# KiCad board vcu.kicad_pcb
title: VCU; date: 2023-12-08; rev: 1.5.0; company: SUFST; note: STAG X & STAG 11; note: Richard Karlson and Boris Van Griensven (bodge fixed by Adam Eastman); note: v1.5.0 Fixed CAN-S Bodge
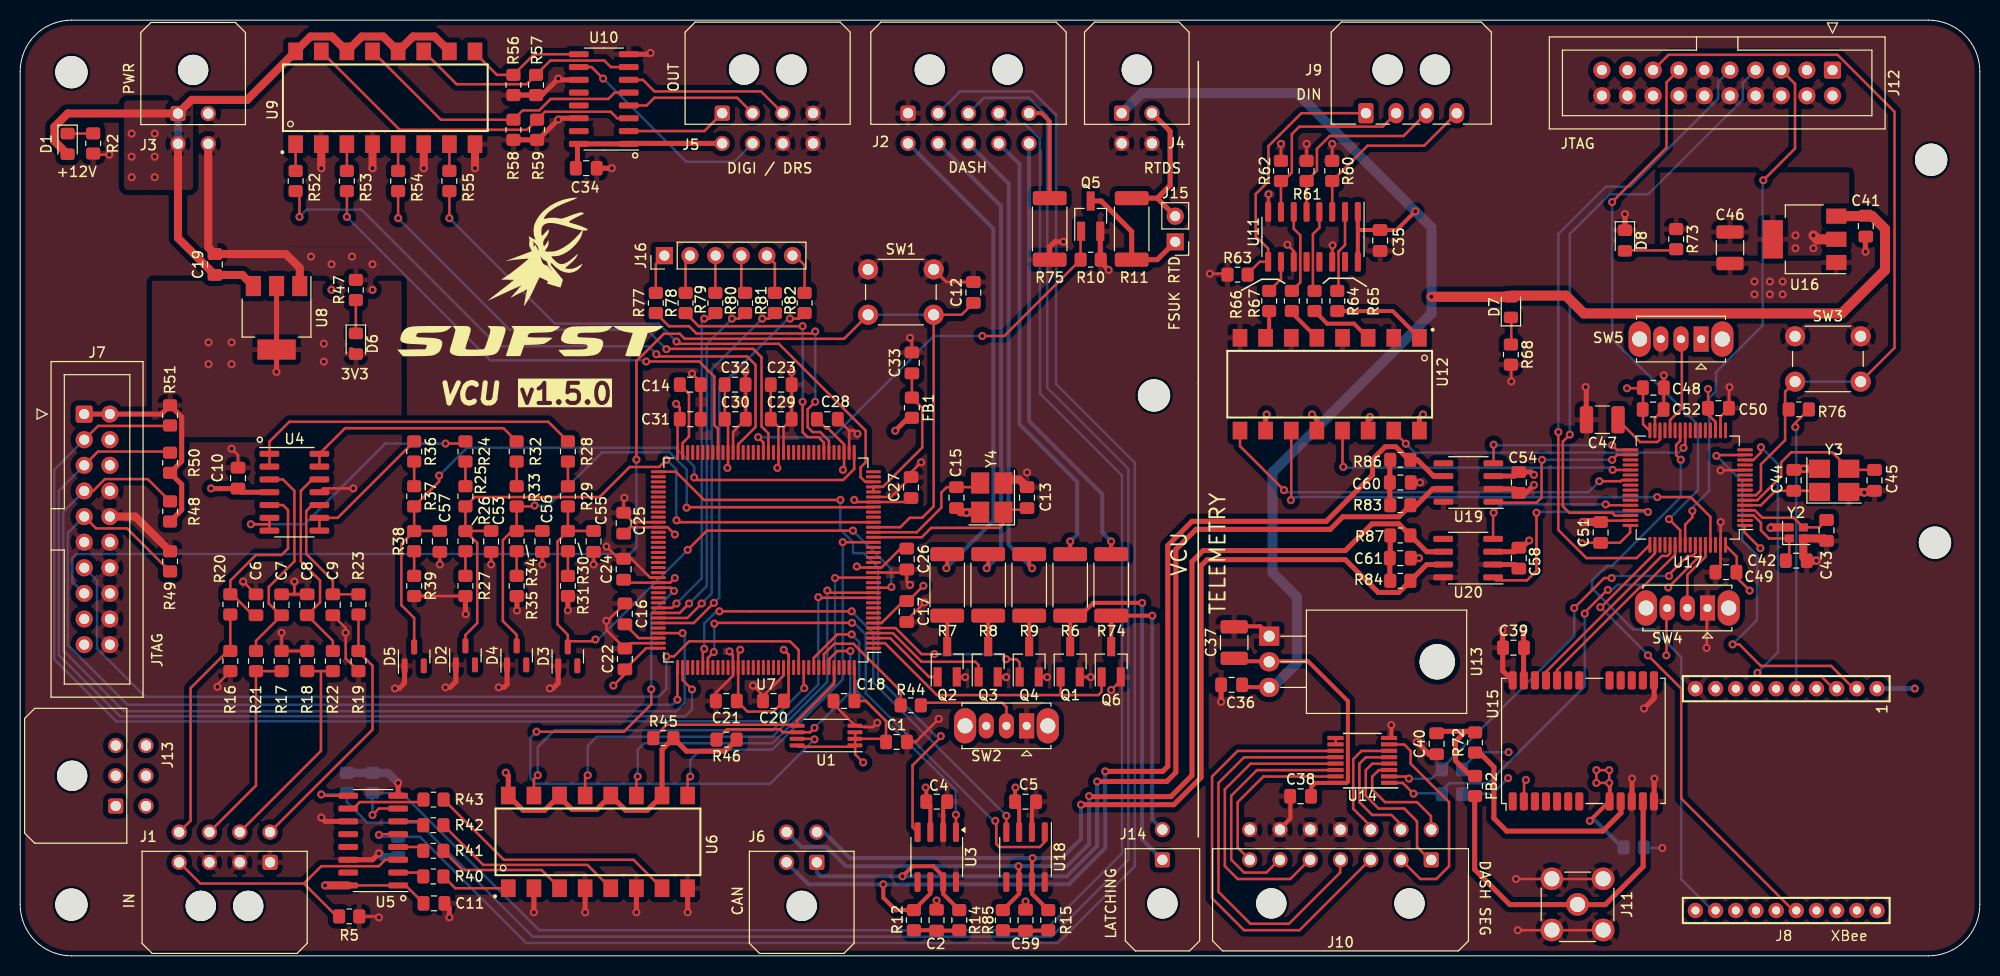
[diagram p0: board, top side]
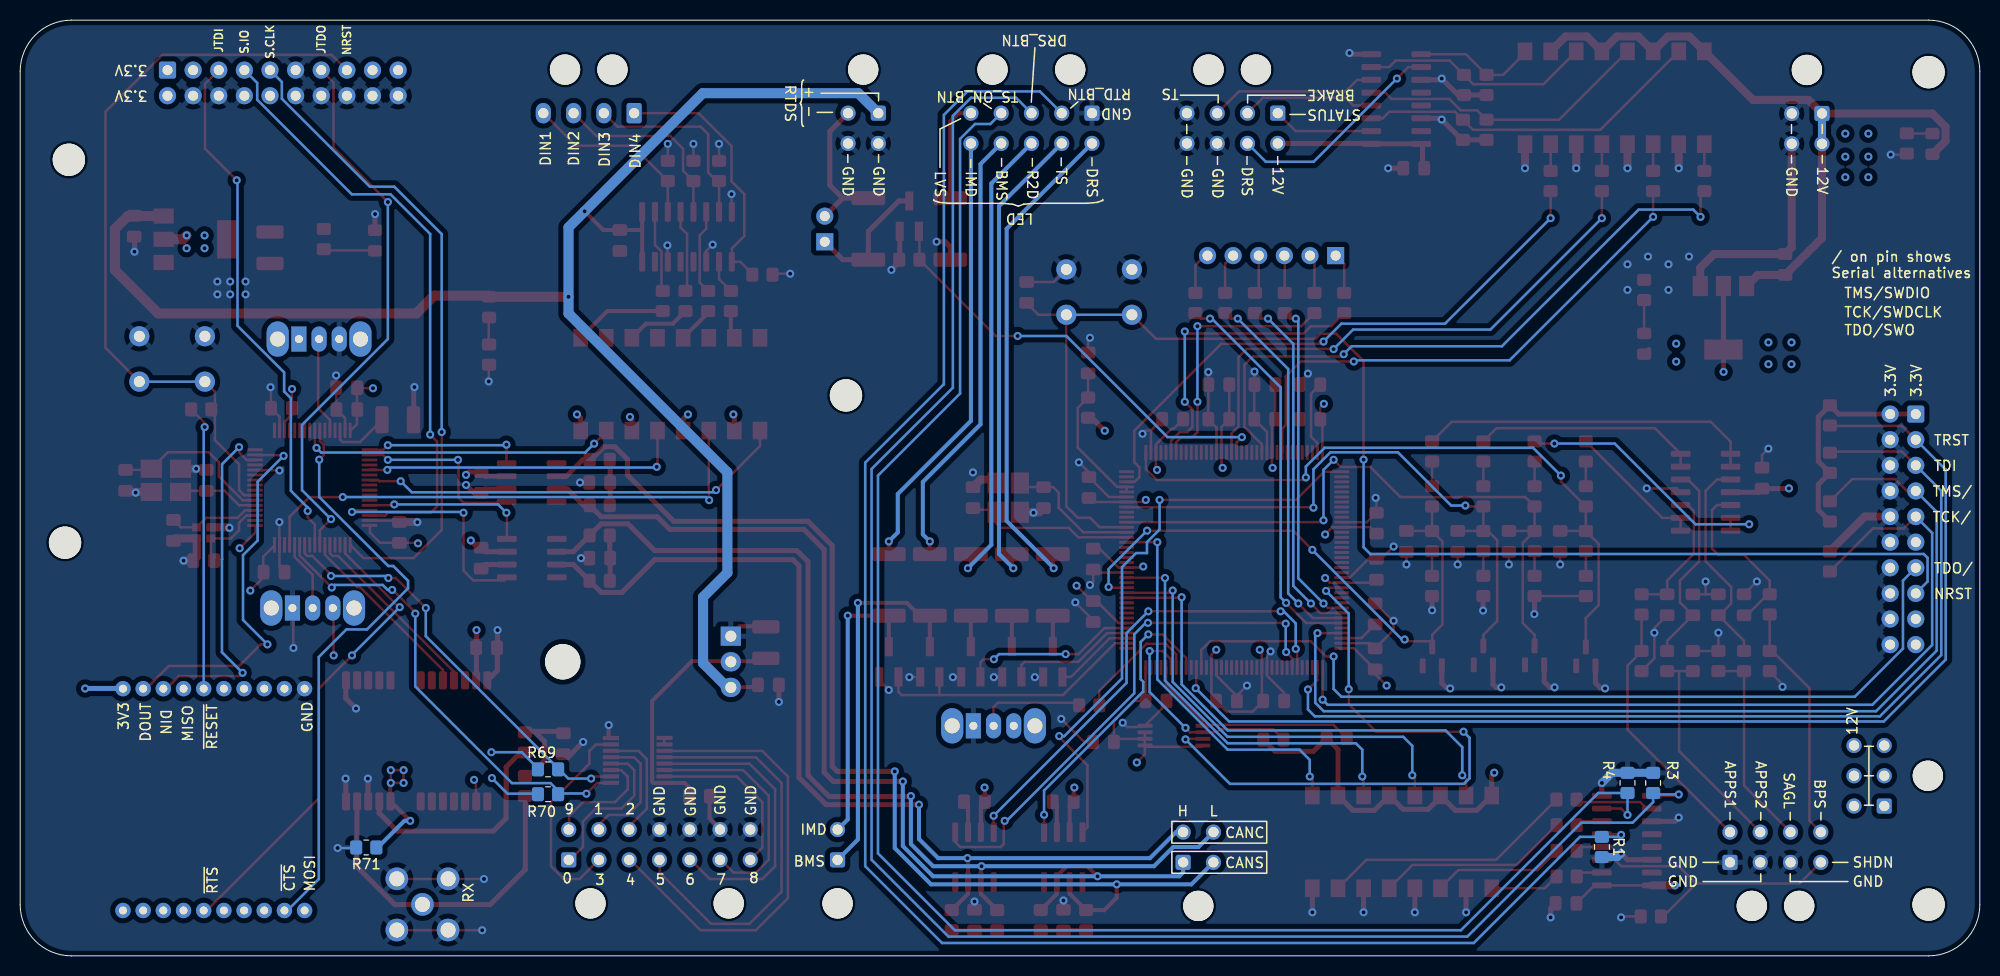
[diagram p1: board, bottom side, seen from below]

Outline 194.25 x 92.79 mm; copper layers: Top, In1.Cu (plane), In2.Cu (plane), Bottom. Coordinates in mm from the lower left corner of the outline.
Outline path: 0,87.71 0,5.08 arc(1.49,1.49) 5.08,0 189.17,0 arc(192.77,1.49) 194.25,5.08 194.25,87.71 arc(192.77,91.3) 189.17,92.79 5.08,92.79 arc(1.49,91.3) 0,87.71
Stack: Top 0.035mm / dielectric 0.1mm FR4 er 4.5 / In1.Cu 0.035mm / dielectric 1.24mm FR4 er 4.5 / In2.Cu 0.035mm / dielectric 0.1mm FR4 er 4.5 / Bottom 0.035mm

## Placement (name value [footprint] x y rotation side)
C1  100n  [C_0805_2012Metric_Pad1.18x1.45mm_HandSolder]  86.87 21.21 0 top
C2  4.7n  [C_0805_2012Metric_Pad1.18x1.45mm_HandSolder]  90.84 3.54 90 top
C4  100n  [C_0805_2012Metric_Pad1.18x1.45mm_HandSolder]  90.86 15.29 180 top
C5  100n  [C_0805_2012Metric_Pad1.18x1.45mm_HandSolder]  99.66 15.29 180 top
C6  100n  [C_0805_2012Metric_Pad1.18x1.45mm_HandSolder]  23.37 34.81 270 top
C7  100n  [C_0805_2012Metric_Pad1.18x1.45mm_HandSolder]  25.91 34.81 270 top
C8  100n  [C_0805_2012Metric_Pad1.18x1.45mm_HandSolder]  28.45 34.81 270 top
C9  100n  [C_0805_2012Metric_Pad1.18x1.45mm_HandSolder]  30.99 34.81 90 top
C10  100n  [C_0805_2012Metric_Pad1.18x1.45mm_HandSolder]  21.6 47.37 270 top
C11  100n  [C_0805_2012Metric_Pad1.18x1.45mm_HandSolder]  41.02 5.21 180 top
C12  100n  [C_0805_2012Metric_Pad1.18x1.45mm_HandSolder]  94.49 65.79 90 top
C13  4.3p  [C_0805_2012Metric_Pad1.18x1.45mm_HandSolder]  99.81 45.44 90 top
C14  2.2u  [C_0805_2012Metric_Pad1.18x1.45mm_HandSolder]  66.42 56.64 180 top
C15  4.3p  [C_0805_2012Metric_Pad1.18x1.45mm_HandSolder]  92.81 45.44 270 top
C16  2.2u  [C_0805_2012Metric_Pad1.18x1.45mm_HandSolder]  59.94 33.91 270 top
C17  100n  [C_0805_2012Metric_Pad1.18x1.45mm_HandSolder]  87.88 34.14 270 top
C18  100n  [C_0805_2012Metric_Pad1.18x1.45mm_HandSolder]  81.66 25.27 180 top
C19  100n  [C_0805_2012Metric_Pad1.18x1.45mm_HandSolder]  19.3 68.56 90 top
C20  100n  [C_0805_2012Metric_Pad1.18x1.45mm_HandSolder]  74.68 25.27 180 top
C21  100n  [C_0805_2012Metric_Pad1.18x1.45mm_HandSolder]  70 25.27 180 top
C22  100n  [C_0805_2012Metric_Pad1.18x1.45mm_HandSolder]  59.94 29.44 90 top
C23  10u  [C_0805_2012Metric_Pad1.18x1.45mm_HandSolder]  75.44 56.64 0 top
C24  100n  [C_0805_2012Metric_Pad1.18x1.45mm_HandSolder]  59.82 38.33 90 top
C25  100n  [C_0805_2012Metric_Pad1.18x1.45mm_HandSolder]  59.82 42.9 90 top
C26  100n  [C_0805_2012Metric_Pad1.18x1.45mm_HandSolder]  87.88 39.35 270 top
C27  100n  [C_0805_2012Metric_Pad1.18x1.45mm_HandSolder]  88.31 46.44 90 top
C28  100n  [C_0805_2012Metric_Pad1.18x1.45mm_HandSolder]  80.01 53.21 0 top
C29  100n  [C_0805_2012Metric_Pad1.18x1.45mm_HandSolder]  75.44 53.21 0 top
C30  100n  [C_0805_2012Metric_Pad1.18x1.45mm_HandSolder]  70.89 53.21 0 top
C31  4.7u  [C_0805_2012Metric_Pad1.18x1.45mm_HandSolder]  66.42 53.21 0 top
C32  1u  [C_0805_2012Metric_Pad1.18x1.45mm_HandSolder]  70.87 56.64 0 top
C33  100n  [C_0805_2012Metric_Pad1.18x1.45mm_HandSolder]  88.39 58.8 90 top
C34  100n  [C_0805_2012Metric_Pad1.18x1.45mm_HandSolder]  56.11 78.11 180 top
C35  100n  [C_0805_2012Metric_Pad1.18x1.45mm_HandSolder]  134.81 70.94 90 top
C36  100n  [C_0805_2012Metric_Pad1.18x1.45mm_HandSolder]  120.09 26.87 0 top
C37  10u  [C_1210_3225Metric_Pad1.33x2.70mm_HandSolder]  120.34 31.06 90 top
C38  100n  [C_0805_2012Metric_Pad1.18x1.45mm_HandSolder]  126.92 15.82 0 top
C39  100nF  [C_0805_2012Metric_Pad1.18x1.45mm_HandSolder]  148.03 30.56 0 top
C40  47pF  [C_0805_2012Metric_Pad1.18x1.45mm_HandSolder]  140.41 21.03 90 top
C41  100nF  [C_0805_2012Metric_Pad1.18x1.45mm_HandSolder]  182.95 72.36 90 top
C42  4p3  [C_0805_2012Metric_Pad1.18x1.45mm_HandSolder]  176.06 39.19 180 top
C43  4p3  [C_0805_2012Metric_Pad1.18x1.45mm_HandSolder]  179.06 42.19 90 top
C44  20pF  [C_0805_2012Metric_Pad1.18x1.45mm_HandSolder]  175.81 47.15 270 top
C45  20pF  [C_0805_2012Metric_Pad1.18x1.45mm_HandSolder]  183.81 47.15 90 top
C46  10uF  [C_1210_3225Metric_Pad1.33x2.70mm_HandSolder]  169.49 70.22 90 top
C47  4u7  [C_1210_3225Metric_Pad1.33x2.70mm_HandSolder]  156.83 53.16 180 top
C48  4.7uF  [C_0805_2012Metric_Pad1.18x1.45mm_HandSolder]  161.89 56.34 0 top
C49  100nF  [C_0805_2012Metric_Pad1.18x1.45mm_HandSolder]  169.09 38.05 180 top
C50  100nF  [C_0805_2012Metric_Pad1.18x1.45mm_HandSolder]  168.35 54.31 0 top
C51  100nF  [C_0805_2012Metric_Pad1.18x1.45mm_HandSolder]  156.66 41.99 90 top
C52  100nF  [C_0805_2012Metric_Pad1.18x1.45mm_HandSolder]  161.87 54.18 0 top
C53  1n  [C_0805_2012Metric_Pad1.18x1.45mm_HandSolder]  46.68 41.1 90 top
C54  100n  [C_0805_2012Metric_Pad1.18x1.45mm_HandSolder]  148.56 46.94 90 top
C55  1n  [C_0805_2012Metric_Pad1.18x1.45mm_HandSolder]  56.84 41.1 90 top
C56  1n  [C_0805_2012Metric_Pad1.18x1.45mm_HandSolder]  51.76 41.1 90 top
C57  1n  [C_0805_2012Metric_Pad1.18x1.45mm_HandSolder]  41.6 41.1 90 top
C58  100n  [C_0805_2012Metric_Pad1.18x1.45mm_HandSolder]  148.56 39.44 90 top
C59  4.7n  [C_0805_2012Metric_Pad1.18x1.45mm_HandSolder]  99.66 3.54 90 top
C60  4.7n  [C_0805_2012Metric_Pad1.18x1.45mm_HandSolder]  136.81 46.94 0 top
C61  4.7n  [C_0805_2012Metric_Pad1.18x1.45mm_HandSolder]  136.81 39.44 0 top
D1  LED  [LED_0805_2012Metric_Pad1.15x1.40mm_HandSolder]  4.7 80.52 270 top
D2  BZX84-C3V3  [SOT-23]  44.14 29.8 90 top
D3  BZX84-C3V3  [SOT-23]  54.28 29.69 90 top
D4  BZX84-C3V3  [SOT-23]  49.22 29.8 90 top
D5  BZX84-C3V3  [SOT-23]  39.06 29.69 90 top
D6  LED  [LED_0805_2012Metric_Pad1.15x1.40mm_HandSolder]  33.27 60.7 270 top
D7  LED  [LED_0805_2012Metric_Pad1.15x1.40mm_HandSolder]  147.77 64.33 90 top
D8  LED  [LED_0805_2012Metric_Pad1.15x1.40mm_HandSolder]  159.08 70.93 270 top
FB1  120  [R_0805_2012Metric_Pad1.20x1.40mm_HandSolder]  88.39 54.36 270 top
FB2  120  [R_0805_2012Metric_Pad1.20x1.40mm_HandSolder]  144.22 16.84 270 top
G***  LOGO  [stag-logo]  51.25 69.8 0 top
G***#2  LOGO  [sufst-text]  50.56 60.99 0 top
H1  M3  [MountingHole_3.2mm_M3]  5.08 5.08 0 top
H2  M3  [MountingHole_3.2mm_M3]  5.08 87.63 0 top
H3  M3  [MountingHole_3.2mm_M3]  112.4 55.58 0 top
H5  M3  [MountingHole_3.2mm_M3]  189.43 78.94 0 top
H6  M3  [MountingHole_3.2mm_M3]  189.81 40.97 0 top
J1  IN  [Molex_Micro-Fit_3.0_43045-0800_2x04_P3.00mm_Horizontal]  24.77 9.27 180 top
J2  DASH CONTROL  [Molex_Micro-Fit_3.0_43045-1000_2x05_P3.00mm_Horizontal]  88.01 83.56 0 top
J3  PWR  [Molex_Micro-Fit_3.0_43045-0400_2x02_P3.00mm_Horizontal]  15.64 83.53 0 top
J4  RTDS  [Molex_Micro-Fit_3.0_43045-0400_2x02_P3.00mm_Horizontal]  109.19 83.56 0 top
J5  OUT  [Molex_Micro-Fit_3.0_43045-0800_2x04_P3.00mm_Horizontal]  69.59 83.56 0 top
J6  CAN  [Molex_Micro-Fit_3.0_43045-0400_2x02_P3.00mm_Horizontal]  78.97 9.27 180 top
J7  Conn_ARM_JTAG_SWD_20  [IDC-Header_2x10_P2.54mm_Vertical]  6.35 53.72 0 top
J8  XBee  [XBEE]  164.06 15.49 270 top
J9  MCU_DIN  [Molex_Micro-Fit_3.0_43650-0400_1x04_P3.00mm_Horizontal]  133.4 83.56 0 top
J10  Dash 7 Segment  [Molex_Micro-Fit_3.0_43045-1400_2x07_P3.00mm_Horizontal]  139.88 9.52 180 top
J11  Conn_Coaxial  [SMA_Molex_73251-2200_Horizontal]  154.38 5.1 180 top
J12  Conn_ARM_JTAG_SWD_20  [IDC-Header_2x10_P2.54mm_Vertical]  179.65 87.83 270 top
J13  DASH 12V  [Molex_Micro-Fit_3.0_43045-0600_2x03_P3.00mm_Horizontal]  9.47 14.86 90 top
J14  BMS+IMD LATCHING  [Molex_Micro-Fit_3.0_43045-0200_2x01_P3.00mm_Horizontal]  113.23 9.52 180 top
J15  FSUK_RTD  [PinHeader_1x02_P2.54mm_Vertical]  114.5 70.81 180 top
J16  Spare pins  [PinHeader_1x06_P2.54mm_Vertical]  63.86 69.44 90 top
Q1  FDN359BN  [SOT-23_Handsoldering]  104.08 29.16 90 top
Q2  FDN359BN  [SOT-23_Handsoldering]  91.89 29.16 90 top
Q3  FDN359BN  [SOT-23_Handsoldering]  95.96 29.16 90 top
Q4  FDN359BN  [SOT-23_Handsoldering]  100.02 29.16 90 top
Q5  FDN359BN  [SOT-23_Handsoldering]  106.12 73.36 90 top
Q6  FDN359BN  [SOT-23_Handsoldering]  108.15 29.16 90 top
R1  10k  [R_0805_2012Metric_Pad1.20x1.40mm_HandSolder]  37.47 10.79 270 bottom
R2  3.3k  [R_0805_2012Metric_Pad1.20x1.40mm_HandSolder]  7.24 80.56 270 top
R3  10k  [R_0805_2012Metric_Pad1.20x1.40mm_HandSolder]  32.38 17.14 90 bottom
R4  10k  [R_0805_2012Metric_Pad1.20x1.40mm_HandSolder]  34.92 17.14 90 bottom
R5  10k  [R_0805_2012Metric_Pad1.20x1.40mm_HandSolder]  32.61 3.91 0 top
R6  1k  [R_2512_6332Metric_Pad1.40x3.35mm_HandSolder]  104.08 36.78 270 top
R7  1k  [R_2512_6332Metric_Pad1.40x3.35mm_HandSolder]  91.89 36.78 270 top
R8  1k  [R_2512_6332Metric_Pad1.40x3.35mm_HandSolder]  95.96 36.78 270 top
R9  1k  [R_2512_6332Metric_Pad1.40x3.35mm_HandSolder]  100.02 36.78 270 top
R10  3k3  [R_0805_2012Metric_Pad1.20x1.40mm_HandSolder]  106.12 69.04 180 top
R11  1k  [R_2512_6332Metric_Pad1.40x3.35mm_HandSolder]  110.18 72.09 90 top
R12  60R  [R_0805_2012Metric_Pad1.20x1.40mm_HandSolder]  88.59 3.54 270 top
R14  60R  [R_0805_2012Metric_Pad1.20x1.40mm_HandSolder]  93.09 3.54 90 top
R15  60R  [R_0805_2012Metric_Pad1.20x1.40mm_HandSolder]  101.91 3.54 90 top
R16  100k  [R_0805_2012Metric_Pad1.20x1.40mm_HandSolder]  20.83 29.23 270 top
R17  100k  [R_0805_2012Metric_Pad1.20x1.40mm_HandSolder]  25.91 29.23 90 top
R18  100k  [R_0805_2012Metric_Pad1.20x1.40mm_HandSolder]  28.45 29.23 90 top
R19  100k  [R_0805_2012Metric_Pad1.20x1.40mm_HandSolder]  33.53 29.23 270 top
R20  1k  [R_0805_2012Metric_Pad1.20x1.40mm_HandSolder]  20.83 34.85 90 top
R21  1k  [R_0805_2012Metric_Pad1.20x1.40mm_HandSolder]  23.37 29.23 90 top
R22  1k  [R_0805_2012Metric_Pad1.20x1.40mm_HandSolder]  30.99 29.23 90 top
R23  1k  [R_0805_2012Metric_Pad1.20x1.40mm_HandSolder]  33.53 34.85 90 top
R24  75k  [R_0805_2012Metric_Pad1.20x1.40mm_HandSolder]  44.14 50.01 270 top
R25  5.6k  [R_0805_2012Metric_Pad1.20x1.40mm_HandSolder]  44.14 45.57 270 top
R26  5.6k  [R_0805_2012Metric_Pad1.20x1.40mm_HandSolder]  44.14 41.12 270 top
R27  1.8k  [R_0805_2012Metric_Pad1.20x1.40mm_HandSolder]  44.14 36.68 270 top
R28  75k  [R_0805_2012Metric_Pad1.20x1.40mm_HandSolder]  54.3 50.01 270 top
R29  5.6k  [R_0805_2012Metric_Pad1.20x1.40mm_HandSolder]  54.3 45.57 270 top
R30  5.6k  [R_0805_2012Metric_Pad1.20x1.40mm_HandSolder]  54.3 41.12 270 top
R31  1.8k  [R_0805_2012Metric_Pad1.20x1.40mm_HandSolder]  54.3 36.68 270 top
R32  75k  [R_0805_2012Metric_Pad1.20x1.40mm_HandSolder]  49.22 50.01 270 top
R33  5.6k  [R_0805_2012Metric_Pad1.20x1.40mm_HandSolder]  49.22 45.57 270 top
R34  5.6k  [R_0805_2012Metric_Pad1.20x1.40mm_HandSolder]  49.22 41.12 270 top
R35  1.8k  [R_0805_2012Metric_Pad1.20x1.40mm_HandSolder]  49.22 36.68 270 top
R36  75k  [R_0805_2012Metric_Pad1.20x1.40mm_HandSolder]  39.06 50.01 270 top
R37  5.6k  [R_0805_2012Metric_Pad1.20x1.40mm_HandSolder]  39.06 45.57 270 top
R38  5.6k  [R_0805_2012Metric_Pad1.20x1.40mm_HandSolder]  39.06 41.12 270 top
R39  1.8k  [R_0805_2012Metric_Pad1.20x1.40mm_HandSolder]  39.06 36.68 270 top
R40  1k  [R_0805_2012Metric_Pad1.20x1.40mm_HandSolder]  40.96 7.87 0 top
R41  1k  [R_0805_2012Metric_Pad1.20x1.40mm_HandSolder]  40.96 10.41 0 top
R42  1k  [R_0805_2012Metric_Pad1.20x1.40mm_HandSolder]  40.96 12.95 0 top
R43  1k  [R_0805_2012Metric_Pad1.20x1.40mm_HandSolder]  40.97 15.49 0 top
R44  10k  [R_0805_2012Metric_Pad1.20x1.40mm_HandSolder]  88.28 24.84 180 top
R45  10k  [R_0805_2012Metric_Pad1.20x1.40mm_HandSolder]  63.75 21.59 0 top
R46  10k  [R_0805_2012Metric_Pad1.20x1.40mm_HandSolder]  70.02 21.44 180 top
R47  1k5  [R_0805_2012Metric_Pad1.20x1.40mm_HandSolder]  33.27 66.03 90 top
R48  10k  [R_0805_2012Metric_Pad1.20x1.40mm_HandSolder]  14.86 44.07 270 top
R49  10k  [R_0805_2012Metric_Pad1.20x1.40mm_HandSolder]  14.86 39.12 270 top
R50  10k  [R_0805_2012Metric_Pad1.20x1.40mm_HandSolder]  14.86 48.89 270 top
R51  10k  [R_0805_2012Metric_Pad1.20x1.40mm_HandSolder]  14.86 53.59 90 top
R52  220  [R_0805_2012Metric_Pad1.20x1.40mm_HandSolder]  27.3 76.83 90 top
R53  220  [R_0805_2012Metric_Pad1.20x1.40mm_HandSolder]  32.38 76.83 90 top
R54  220  [R_0805_2012Metric_Pad1.20x1.40mm_HandSolder]  37.47 76.83 90 top
R55  220  [R_0805_2012Metric_Pad1.20x1.40mm_HandSolder]  42.55 76.83 90 top
R56  10k  [R_0805_2012Metric_Pad1.20x1.40mm_HandSolder]  48.89 86.36 270 top
R57  10k  [R_0805_2012Metric_Pad1.20x1.40mm_HandSolder]  51.13 86.36 270 top
R58  10k  [R_0805_2012Metric_Pad1.20x1.40mm_HandSolder]  48.89 81.91 270 top
R59  10k  [R_0805_2012Metric_Pad1.20x1.40mm_HandSolder]  51.23 81.91 270 top
R60  10k  [R_0805_2012Metric_Pad1.20x1.40mm_HandSolder]  130.06 77.84 270 top
R61  10k  [R_0805_2012Metric_Pad1.20x1.40mm_HandSolder]  127.52 77.84 270 top
R62  10k  [R_0805_2012Metric_Pad1.20x1.40mm_HandSolder]  124.98 77.84 270 top
R63  10k  [R_0805_2012Metric_Pad1.20x1.40mm_HandSolder]  120.68 67.55 0 top
R64  1k  [R_0805_2012Metric_Pad1.20x1.40mm_HandSolder]  130.56 64.94 270 top
R65  1k  [R_0805_2012Metric_Pad1.20x1.40mm_HandSolder]  128.31 64.94 270 top
R66  1k  [R_0805_2012Metric_Pad1.20x1.40mm_HandSolder]  126.06 64.94 270 top
R67  1k  [R_0805_2012Metric_Pad1.20x1.40mm_HandSolder]  123.81 64.94 270 top
R68  3.3k  [R_0805_2012Metric_Pad1.20x1.40mm_HandSolder]  147.77 59.62 270 top
R69  4k7  [R_0805_2012Metric_Pad1.20x1.40mm_HandSolder]  141.93 18.49 180 bottom
R70  4k7  [R_0805_2012Metric_Pad1.20x1.40mm_HandSolder]  141.93 16.03 180 bottom
R71  DNP  [R_0805_2012Metric_Pad1.20x1.40mm_HandSolder]  159.95 10.74 0 bottom
R72  33  [R_0805_2012Metric_Pad1.20x1.40mm_HandSolder]  144.22 21.16 90 top
R73  1k5  [R_0805_2012Metric_Pad1.20x1.40mm_HandSolder]  164.16 71.07 270 top
R74  1k  [R_2512_6332Metric_Pad1.40x3.35mm_HandSolder]  108.15 36.78 270 top
R75  1k  [R_2512_6332Metric_Pad1.40x3.35mm_HandSolder]  102.05 72.09 270 top
R76  0  [R_0805_2012Metric_Pad1.20x1.40mm_HandSolder]  176.31 54.19 0 top
R77  100  [R_0805_2012Metric_Pad1.20x1.40mm_HandSolder]  63.01 64.74 90 top
R78  100  [R_0805_2012Metric_Pad1.20x1.40mm_HandSolder]  65.96 64.74 90 top
R79  100  [R_0805_2012Metric_Pad1.20x1.40mm_HandSolder]  68.91 64.74 90 top
R80  100  [R_0805_2012Metric_Pad1.20x1.40mm_HandSolder]  71.86 64.74 90 top
R81  100  [R_0805_2012Metric_Pad1.20x1.40mm_HandSolder]  74.81 64.74 90 top
R82  100  [R_0805_2012Metric_Pad1.20x1.40mm_HandSolder]  77.76 64.74 90 top
R83  60R  [R_0805_2012Metric_Pad1.20x1.40mm_HandSolder]  136.81 44.69 0 top
R84  60R  [R_0805_2012Metric_Pad1.20x1.40mm_HandSolder]  136.81 37.19 0 top
R85  60R  [R_0805_2012Metric_Pad1.20x1.40mm_HandSolder]  97.41 3.54 270 top
R86  60R  [R_0805_2012Metric_Pad1.20x1.40mm_HandSolder]  136.81 49.19 180 top
R87  60R  [R_0805_2012Metric_Pad1.20x1.40mm_HandSolder]  136.81 41.69 180 top
SW1  SW_Push  [SW_PUSH_6mm]  84.05 68.07 0 top
SW2  SW_SPDT  [SW_Slide_1P2T_CK_OS102011MS2Q]  99.77 22.81 180 top
SW3  SW_Push  [SW_PUSH_6mm]  175.94 61.44 0 top
SW4  SW_SPDT  [SW_Slide_1P2T_CK_OS102011MS2Q]  167.26 34.49 180 top
SW5  SW_SPDT  [SW_Slide_1P2T_CK_OS102011MS2Q]  166.63 61.16 180 top
U1  M24256-DRD  [TSSOP-8_4.4x3mm_P0.65mm]  79.88 21.84 180 top
U3  MAX3051ESA+  [SOIC-8_3.9x4.9mm_P1.27mm]  90.86 9.79 270 top
U4  TLV274  [SOIC-14_3.9x8.7mm_P1.27mm]  27.18 45.97 0 top
U5  HCF4010  [SOIC-16_3.9x9.9mm_P1.27mm]  34.99 11.43 180 top
U6  ILQ615-4X009T  [SOIC254P1005X380-16N]  57.27 11.3 90 top
U7  STM32F746ZGT6  [LQFP-144_20x20mm_P0.5mm]  73.92 39.25 180 top
U8  LD1117S33TR_SOT223  [SOT-223-3_TabPin2]  25.41 63.27 270 top
U9  ILQ615-4X009T  [SOIC254P1005X380-16N]  36.19 85.09 90 top
U10  HCF4010  [SOIC-16_3.9x9.9mm_P1.27mm]  57.85 84.96 180 top
U11  HCF4010  [SOIC-16_3.9x9.9mm_P1.27mm]  128.15 71.3 270 top
U12  ILQ615-4X009T  [SOIC254P1005X380-16N]  129.81 56.69 270 top
U13  LD1117V33  [TO-220-3_Horizontal_TabDown]  123.81 31.7 270 top
U14  MAX6958BAEE+T  [QSOP-16_3.9x4.9mm_P0.635mm]  133.04 19.38 180 top
U15  NEO-M9N  [ublox_NEO]  154.95 21.32 90 top
U16  LD1117S33TR_SOT223  [SOT-223-3_TabPin2]  176.88 71.06 180 top
U17  STM32F446RETx  [LQFP-64_10x10mm_P0.5mm]  165.3 46.43 180 top
U18  MAX3051ESA+  [SOIC-8_3.9x4.9mm_P1.27mm]  99.66 9.79 270 top
U19  MAX3051ESA+  [SOIC-8_3.9x4.9mm_P1.27mm]  143.56 46.94 180 top
U20  MAX3051ESA+  [SOIC-8_3.9x4.9mm_P1.27mm]  143.53 39.44 180 top
Y2  32MHz  [Crystal_SMD_2016-4Pin_2.0x1.6mm]  176.06 41.94 0 top
Y3  8MHz  [Crystal_SMD_3225-4Pin_3.2x2.5mm_HandSoldering]  179.81 47.15 0 top
Y4  8MHz  [Crystal_SMD_3225-4Pin_3.2x2.5mm_HandSoldering]  96.31 45.44 90 top

## Library data of the parts
C1 C4 C5 C36 C38 C54 C58 = -: Optional: False; Order Code: 80-C0805C104K5RACLR; Supplier: Mouser; ki_fp_filters: C_*
C2 C59-C61 = -: Optional: True; Order Code: 80-C0805C472KBRAUTO; Supplier: Mouser; ki_fp_filters: C_*
C6-C35 C37 C39-C53 C55-C57 = -: ki_fp_filters: C_*
D1 D7 = -: Optional: False; Order Code: 743-IN-S85CS5R; Supplier: Mouser; ki_fp_filters: LED* LED_SMD:* LED_THT:*
D2-D5 = -: Datasheet: https://diotec.com/tl_files/diotec/files/pdf/datasheets/bzx84c2v4.pdf; Optional: False; Order Code: 771-BZX84-C3V3-T/R; Supplier: Mouser; ki_fp_filters: SOT?23*
D6 D8 = -: ki_fp_filters: LED* LED_SMD:* LED_THT:*
FB1 FB2 = -: ki_fp_filters: Inductor_* L_* *Ferrite*
H1-H3 H5 H6 = -: Optional: False; ki_fp_filters: MountingHole*
J1 J5 = -: Order Code: 538-43045-0800; ki_fp_filters: Connector*:*_1x??_*
J2 = -: Order Code: 538-43045-1000; ki_fp_filters: Connector*:*_1x??_*
J3 J4 J6 = -: Optional: False; Order Code: 538-43045-0400; ki_fp_filters: Connector*:*_1x??_*
J7 J12 = -: Datasheet: http://infocenter.arm.com/help/topic/com.arm.doc.dui0499b/DUI0499B_system_design_reference.pdf; Order Code: 649-75869-104LF; ki_fp_filters: IDC*Header*P2.54mm* PinHeader*2x10*P2.54mm*
J8 J16 = -: ki_fp_filters: Connector*:*_1x??_*
J9 = -: Optional: False; Order Code: 538-43650-0400; ki_fp_filters: Connector*:*_1x??_*
J10 = -: Order Code: 538-43045-1400; ki_fp_filters: Connector*:*_1x??_*
J11 = -: Order Code: 538-73251-2200; ki_fp_filters: *BNC* *SMA* *SMB* *SMC* *Cinch* *LEMO* *UMRF* *MCX* *U.FL*
J13 = -: Order Code: 538-43045-0600; ki_fp_filters: Connector*:*_1x??_*
J14 = -: Order Code: 538-43045-0200; ki_fp_filters: Connector*:*_1x??_*
J15 = -: ki_fp_filters: Connector*:*_2x??_*
Q1-Q6 = -: Datasheet: https://www.onsemi.com/download/data-sheet/pdf/fdn359bn-d.pdf; Optional: False; Order Code: 512-FDN359BN; Supplier: Mouser
R1-R9 R16-R43 R52-R55 R60-R68 R74 R75 = -: Optional: False; Supplier: Mouser; ki_fp_filters: R_*
R10-R12 R14 R15 R45 R46 R48-R51 R56-R59 R77-R87 = -: Optional: True; Supplier: Mouser; ki_fp_filters: R_*
R44 R47 R69-R73 R76 = -: ki_fp_filters: R_*
U1 = -: Datasheet: https://datasheet.octopart.com/M24256-DRMN3TP-K-STMicroelectronics-datasheet-62333616.pdf; Optional: False; Order Code: 511-M24256-DRDW8TP/K; Supplier: Mouser
U3 U18-U20 = -: Datasheet: http://datasheets.maximintegrated.com/en/ds/MAX3051.pdf; Optional: False; Order Code: 700-MAX3051ESA; Supplier: Mouser; ki_fp_filters: SOT?23* SOIC*
U4 = -: Datasheet: http://www.ti.com/lit/ds/symlink/tlc274.pdf; Order Code: 863-NCV274DR2G; ki_fp_filters: SOIC*3.9x8.7mm*P1.27mm* DIP*W7.62mm* TSSOP*4.4x5mm*P0.65mm* SSOP*5.3x6.2mm*P0.65mm* MSOP*3x3mm*P0.5mm*
U5 U10 U11 = -: Datasheet: https://www.st.com/content/ccc/resource/technical/document/datasheet/a6/35/d1/2f/cf/e8/4f/3b/CD00002637.pdf/files/CD00002637.pdf/jcr:content/translations/en.CD00002637.pdf; Order Code: 511-HCF4010YM013TR; Supplier: Mouser
U6 U9 U12 = -: Datasheet: https://www.vishay.com/docs/83652/ild615.pdf; Optional: False; Order Code: 782-ILQ615-4X009; Supplier: Mouser
U7 = -: Datasheet: https://www.st.com/resource/en/datasheet/stm32f746zg.pdf; Order Code: 511-STM32F746ZGT6; ki_fp_filters: LQFP*20x20mm*P0.5mm*
U8 U16 = -: Datasheet: http://www.st.com/st-web-ui/static/active/en/resource/technical/document/datasheet/CD00000544.pdf; Order Code: 511-LD1117S33; ki_fp_filters: SOT?223*TabPin2*
U13 = -: Order Code: 511-LD1117V33
U14 = -: Datasheet: https://www.mouser.co.uk/datasheet/2/609/MAX6958_MAX6959-3131066.pdf; Order Code: 700-MAX6958BAEE
U15 = -: Datasheet: https://content.u-blox.com/sites/default/files/NEO-M8-FW3_DataSheet_UBX-15031086.pdf; ki_fp_filters: ublox*NEO*
U17 = -: Datasheet: https://www.st.com/resource/en/datasheet/stm32f446re.pdf; Order Code: 511-STM32F446RET6; ki_fp_filters: LQFP*10x10mm*P0.5mm*
Y2 = -: Order Code: 520-320-8-37B2-JTYTR; ki_fp_filters: Crystal*
Y3 Y4 = -: Order Code: 815-FC3BAEBDI8.0-T1; ki_fp_filters: Crystal*
